# Altium PCB MiniPC.PcbDoc (part 21 of 23) (continued)
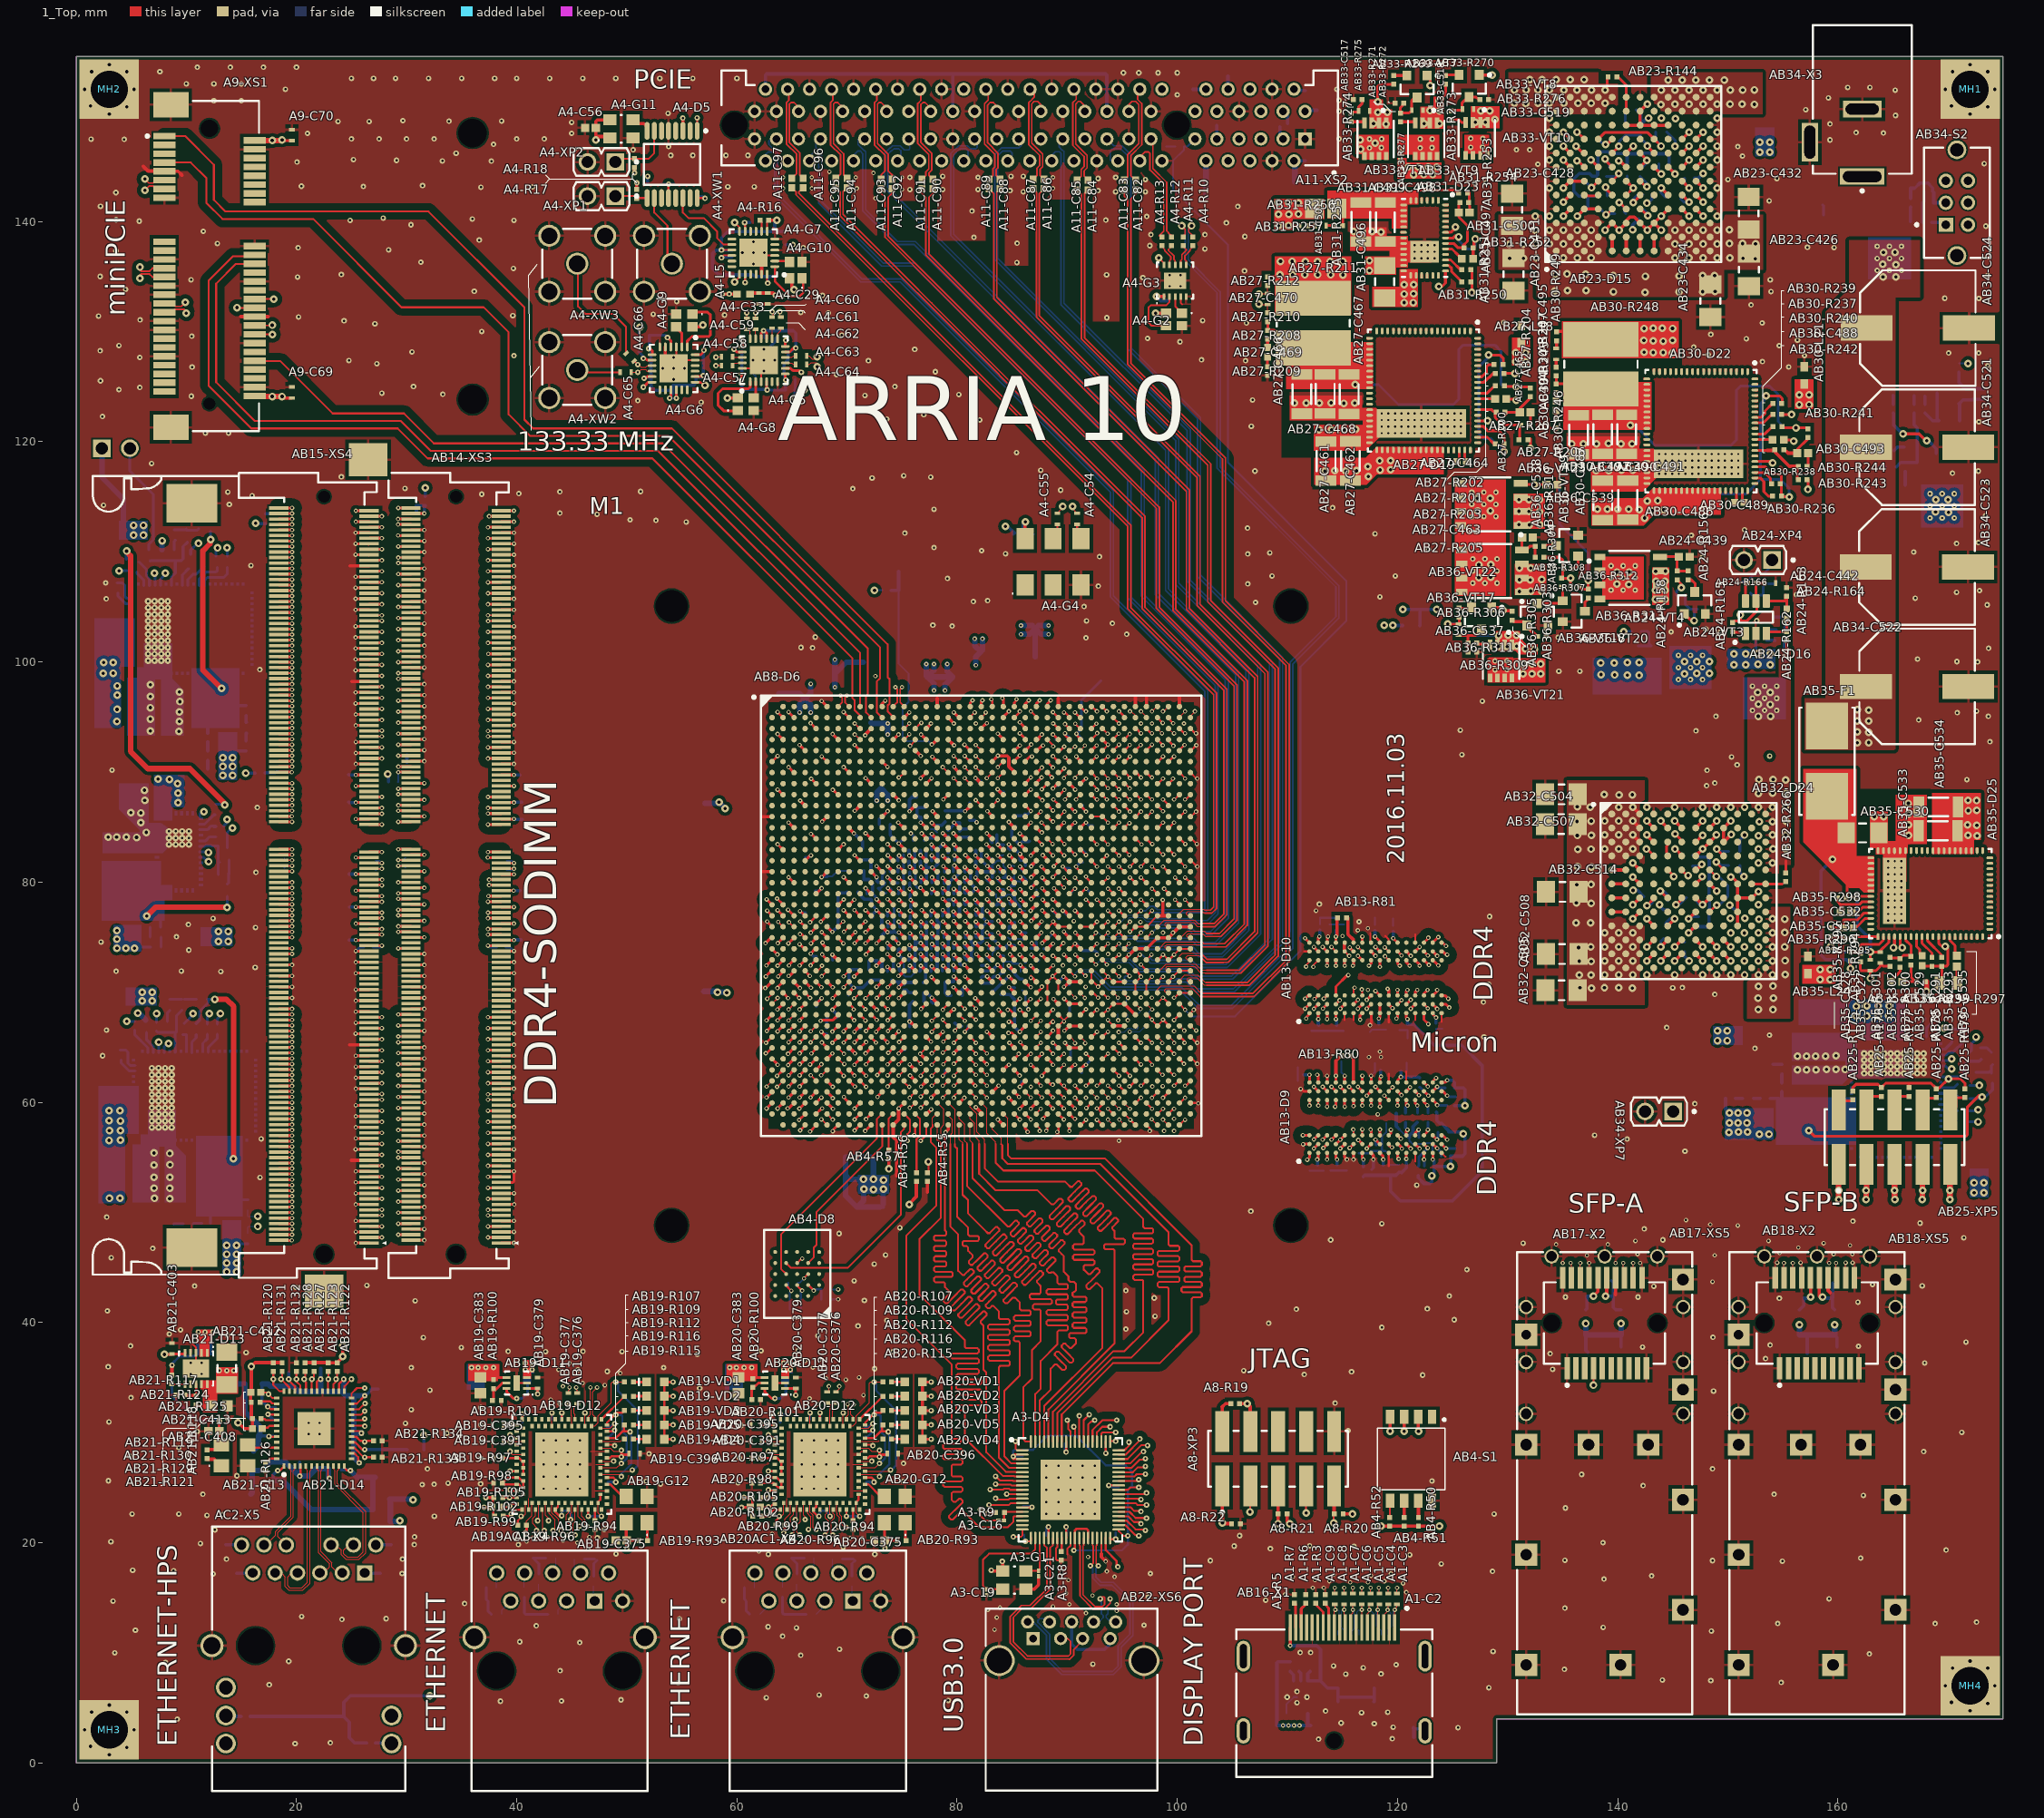
[diagram p0: 1_Top view]
## Nets (pads, with @x,y where several pads share a name; then routed paths per layer and width w, separated by ;. In a path a pad name is that pad's centre, name@x,y a point inside that pad or via, vN(x,y) a via of type N, cw(c..) or ccw(c..) an arc to the next point about the centre after c; other vN are vias at no path point) (continued)
REFCLK0_FMCB_P: A4-C62.2 AB8-D6.AL29 | length 87
  1_Top w0.1: v3(63.91,131.8) 63.91,131.39 A4-C62.2@64,131.3 ; AB8-D6.AL29@91.194,65.939 91.63,65.503 v1(91.63,65.37)
  10_int9_(sign) w0.09: v3(63.91,131.8) 63.7,131.59 63.7,130.425 64.085,130.04 67.86,130.04 68.8,129.1 68.839,129.1 86.57,111.369 86.57,100 86.545,99.975 86.545,99.92 86.14,99.515 86.14,96.372 86.34,96.172 86.34,90.665 85.25,89.575 85.25,85.925 87.035,84.14 90.559,84.14 91.35,83.349 91.35,82.114 93.29,80.174 93.29,78.065 91.79,76.565 91.79,72.624 92.315,72.099 92.315,67.615 91.27,66.57 91.27,65.83 91.63,65.47 v1(91.63,65.37)
REFCLK1_FMCB_C_N: A4-C63.1 A4-G5.10 | length 1
  1_Top w0.1: A4-G5.10@64.4,127.65 64.995,127.65 65.145,127.8 A4-C63.1@65.35,127.8
REFCLK1_FMCB_C_P: A4-C64.1 A4-G5.9 | length 1
  1_Top w0.1: A4-G5.9@64.4,127.15 64.995,127.15 65.145,127 A4-C64.1@65.35,127
REFCLK1_FMCB_N: A4-C63.2 AB8-D6.U28 | length 64.8
  1_Top w0.1: A4-C63.2@66.35,127.8 66.56,127.8 66.85,127.51 67.41,127.51 67.3,127.62 v2(67.3,127.7) ; v1(89.7,80.4) 89.8,80.4 90.194,80.006 AB8-D6.U28@90.194,79.939
  10_int9_(sign) w0.09: v2(67.3,127.7) 67.3,127.64 67,127.34 66.701,127.34 66.36,126.999 66.36,126.051 72.511,119.9 75.5,119.9 83.5,111.9 83.5,96.36 84.085,95.775 84.085,82.116 84.376,81.825 86.447,81.825 86.458,81.815 86.942,81.815 86.952,81.825 89.663,81.825 90.08,81.408 90.08,80.78 v1(89.7,80.4)
REFCLK1_FMCB_P: A4-C64.2 AB8-D6.U29 | length 64.6
  1_Top w0.1: A4-C64.2@66.35,127 66.56,127 66.74,127.18 67.21,127.18 v2@67.4,126.99 ; v2(67.3,126.8) 67.3,126.89 v2@67.4,126.99 ; v2@67.5,126.89 v2@67.4,126.99 ; v1(90.7,80.4) 90.7,80.433 AB8-D6.U29@91.194,79.939
  10_int9_(sign) w0.09: v2(67.3,126.8) 67,127.1 66.8,127.1 66.6,126.9 66.6,126.15 72.61,120.14 75.599,120.14 83.74,111.999 83.74,96.459 84.325,95.874 84.325,82.215 84.475,82.065 86.547,82.065 86.557,82.055 86.843,82.055 86.853,82.065 89.762,82.065 90.32,81.507 90.32,80.78 v1(90.7,80.4)
REFCLK_DP_C_N: A4-C59.1 A4-G5.18 | length 1
  1_Top w0.1: A4-C59.1@60.9,130.2 61,130.2 61.2,130 A4-G5.18@61.2,129.35
REFCLK_DP_C_P: A4-C60.1 A4-G5.17 | length 0.9
  1_Top w0.1: A4-G5.17@61.7,129.35 A4-C60.1@61.7,130.2
REFCLK_DP_N: A4-C59.2 AB8-D6.G28 | length 61.2
  1_Top w0.1: A4-C59.2@60.9,131.2 v3@60.9,131.6 ; v1(89.7,89.45) 89.7,89.5 90.139,89.939 AB8-D6.G28@90.194,89.939 ; v3@60.9,131.6 v3(60.9,131.7) 60.8,131.7 v3@60.9,131.6
  12_int11_(sign) w0.09: v3(60.9,131.7) 60.96,131.7 61.16,131.5 61.16,131.001 61.641,130.52 70.28,130.52 90.16,110.64 90.16,95.687 90.115,95.642 90.115,95.157 90.16,95.112 90.16,94.637 90.145,94.622 90.145,94.137 90.16,94.122 90.16,92.587 90.11,92.537 90.11,91.511 90.145,91.476 90.145,91.19 90.135,91.18 90.135,89.855 89.73,89.45 v1(89.7,89.45)
REFCLK_DP_P: A4-C60.2 AB8-D6.G29 | length 61.2
  1_Top w0.1: A4-C60.2@61.7,131.2 v3(61.7,131.7) ; v1(90.7,89.45) 90.7,89.5 91.139,89.939 AB8-D6.G29@91.194,89.939 ; v3(61.7,131.7) 61.7,131.78 61.62,131.7 v3(61.7,131.7)
  12_int11_(sign) w0.09: v3(61.7,131.7) 61.6,131.7 61.4,131.5 61.4,131.1 61.74,130.76 70.379,130.76 90.4,110.739 90.4,95.588 90.355,95.543 90.355,95.257 90.4,95.212 90.4,94.538 90.385,94.523 90.385,94.237 90.4,94.222 90.4,92.488 90.35,92.438 90.35,91.611 90.385,91.576 90.385,91.091 90.375,91.081 90.375,89.745 90.67,89.45 v1(90.7,89.45)
REFCLK_SDI_C_N: A4-C55.2 A4-G4.5 | length 1.2
  1_Top w0.17: A4-G4.5@88.61,111.1 A4-G4.5@88.71,111.2 ; A4-G4.5@89.01,111.5 89.1,111.59 A4-C55.2@89.1,112.5
REFCLK_SDI_C_P: A4-C54.2 A4-G4.4 | length 1.4
  1_Top w0.17: A4-C54.2@90.9,112.5 90.9,111.55 A4-G4.4@91.25,111.2
REFCLK_SDI_N: A4-C55.1 AB8-D6.E28 | length 24.1
  1_Top w0.1: A4-C55.1@89.1,113.5 89.6,114 v2(89.6,114.1) ; AB8-D6.E28@90.194,91.939 90.239,91.939 90.6,92.3 v1(90.7,92.3)
  10_int9_(sign) w0.09: v2(89.6,114.1) 90,113.7 90,101.31 91.1,100.21 91.1,95.273 91.21,95.163 91.21,93.055 91.03,92.874 91.03,92.63 v1(90.7,92.3)
REFCLK_SDI_P: A4-C54.1 AB8-D6.E29 | length 24
  1_Top w0.1: v2(90.5,114.1) 90.5,113.9 A4-C54.1@90.9,113.5 ; AB8-D6.E29@91.194,91.994 AB8-D6.E29@91.194,91.939 91.6,92.345 v1(91.6,92.4)
  10_int9_(sign) w0.09: v2(90.5,114.1) 90.24,113.84 90.24,101.409 91.34,100.309 91.34,95.372 91.45,95.262 91.45,92.955 91.27,92.775 91.27,92.73 v1(91.6,92.4)
REFCLK_SMA_N: A4-C65.1 A4-G6.10 AB8-D6.J28 | length 69.9
  1_Top w0.1: A4-C65.1@50.4,126.1 50.4,126.275 50.425,126.3 v3(51,126.3) 51.06,126.3 51.3,126.54 51.71,126.54 51.85,126.4 A4-G6.10@52.3,126.4 ; v1(89.8,87.5) 89.8,87.545 AB8-D6.J28@90.194,87.939
  12_int11_(sign) w0.09: v3(51,126.3) 51.3,126.6 52.1,126.6 52.86,125.84 52.86,123.001 54.161,121.7 68.6,121.7 84.815,105.485 84.815,95.873 85.045,95.643 85.045,95.357 84.815,95.127 84.815,90.131 86.101,88.845 89.855,88.845 90.125,88.575 90.125,87.745 89.88,87.5 v1(89.8,87.5)
REFCLK_SMA_P: A4-C66.1 A4-G6.9 AB8-D6.J29 | length 70.1
  1_Top w0.1: A4-C66.1@50.525,127.225 50.775,127.225 v3(51,127) 51.06,127 51.3,126.76 51.71,126.76 51.85,126.9 A4-G6.9@52.3,126.9 ; v1(90.8,87.5) 90.8,87.545 AB8-D6.J29@91.194,87.939
  12_int11_(sign) w0.09: v3(51,127) 51.16,126.84 52.199,126.84 53.1,125.939 53.1,123.1 54.26,121.94 68.699,121.94 85.055,105.584 85.055,95.972 85.285,95.742 85.285,95.257 85.055,95.028 85.055,90.23 86.2,89.085 89.99,89.085 90.387,88.688 90.38,88.68 90.38,87.84 90.72,87.5 v1(90.8,87.5)
RESERVED: A3-D4.19 AB8-D6.AR16 | length 58.5
  1_Top w0.17: v1(77.7,61.5) 77.755,61.5 AB8-D6.AR16@78.194,61.939 ; v3(85.1,20.525) 85.8,20.525 85.925,20.65 A3-D4.19@85.925,21.2
  5_int4_(sign) w0.1: v1(77.7,61.5) 78,61.2 78,55.4 79.35,54.05 79.35,44.14 79.35,44.04 79.45,43.94 80.418,43.94 80.518,43.84 80.518,43.64 80.418,43.54 79.35,43.54 79.311,43.54 79.211,43.44 79.211,43.24 79.311,43.14 79.35,43.14 80.418,43.14 80.518,43.04 80.518,42.84 80.418,42.74 79.35,42.74 79.311,42.74 79.211,42.64 79.211,42.44 79.311,42.34 79.35,42.34 80.418,42.34 80.518,42.24 80.518,42.04 80.418,41.94 79.35,41.94 79.311,41.94 79.211,41.84 79.211,41.64 79.311,41.54 79.35,41.54 80.418,41.54 80.518,41.44 80.518,41.24 80.418,41.14 79.35,41.14 79.311,41.14 79.211,41.04 79.211,40.84 79.311,40.74 79.35,40.74 80.418,40.74 80.518,40.64 80.518,40.44 80.418,40.34 79.45,40.34 79.35,40.24 79.35,39.58 79.35,25.014 83.839,20.525 v3(85.1,20.525)
SENSESYNC1: AB32-D24.E7 AB32-R268.1 | length 1.7
  1_Top w0.3: AB32-D24.E7@147.075,81.1 147.135,81.1 v2(147.64,81.605)
  16_Bottom w0.3: AB32-R268.1@146.79,81.445 147.48,81.445 v2(147.64,81.605)
SENSESYNC2: AB23-D15.E7 AB23-R147.1 | length 1.9
  1_Top w0.254: v2(138.857,145.682) 138.857,145.573 AB23-D15.E7@139.495,144.935
  16_Bottom w0.254: v2(138.857,145.682) 138.857,145.643 139.25,145.25 AB23-R147.1@139.25,144.925
SHARE_CLK1: AB32-D24.H7 AB32-R267.1 | length 1.9
  1_Top w0.3: v2(146.44,76.655) AB32-D24.H7@147.075,77.29
  16_Bottom w0.25: v2(146.44,76.655) 146.63,76.845 AB32-R267.1@147.365,76.845
SHARE_CLK2: AB23-D15.H7 AB23-R146.1 | length 1.9
  1_Top w0.3: AB23-D15.H7@143.305,144.935 v2(143.94,144.3)
  16_Bottom w0.25: AB23-R146.1@143.75,145.225 143.75,144.49 v2(143.94,144.3)
TRCT1: AC2-C542.2 AC2-X5.12 | length 1.7
  16_Bottom w0.3: AC2-C542.2@13.577,19.825 15.097,19.825 AC2-X5.12@15.197,19.725
TRCT2: AC2-C541.2 AC2-X5.6 | length 1.2
  16_Bottom w0.3: AC2-C541.2@14.577,17.225 AC2-X5.6@15.797,17.225
TRCT3: AC2-C540.2 AC2-X5.1 | length 1.2
  16_Bottom w0.3: AC2-X5.1@26.497,17.325 26.597,17.225 AC2-C540.2@27.607,17.225
TRCT4: AC2-C543.2 AC2-X5.7 | length 1.5
  16_Bottom w0.3: AC2-X5.7@27.197,19.925 27.297,19.825 AC2-C543.2@28.607,19.825
TRD1_N: AB21-D14.3 AC2-X5.10 | length 8.1
  1_Top w0.1: AC2-X5.10@19.08,19.794 18.32,20.553 18.32,20.907 19.722,22.309 19.722,26.535 19.862,26.675 AB21-D14.3@19.862,26.975
TRD1_P: AB21-D14.2 AC2-X5.11 | length 8.3
  1_Top w0.1: AC2-X5.11@17.048,19.794 17.194,19.794 18.1,20.7 18.1,20.998 19.502,22.4 19.502,26.535 19.362,26.675 AB21-D14.2@19.362,26.975
TRD2_N: AB21-D14.6 AC2-X5.5 | length 15.3
  1_Top w0.1: AC2-X5.5@18.064,17.254 18.626,17.254 18.98,16.9 18.98,16.009 19.309,15.68 20.591,15.68 21.22,16.309 21.22,22.807 21.222,22.809 21.222,26.535 21.362,26.675 AB21-D14.6@21.362,26.975
TRD2_P: AB21-D14.5 AC2-X5.4 | length 14.6
  1_Top w0.1: AC2-X5.4@20.096,17.254 19.554,17.254 19.2,16.9 19.2,16.1 19.4,15.9 20.5,15.9 21,16.4 21,22.898 21.002,22.9 21.002,26.535 20.862,26.675 AB21-D14.5@20.862,26.975
TRD3_N: AB21-D14.8 AC2-X5.2 | length 10.8
  1_Top w0.1: AB21-D14.8@22.362,26.975 22.362,26.675 22.222,26.535 22.222,19.178 23.22,18.18 23.22,17.8 23.766,17.254 AC2-X5.2@24.16,17.254
TRD3_P: AB21-D14.7 AC2-X5.3 | length 10.7
  1_Top w0.1: AB21-D14.7@21.862,26.975 21.862,26.675 22.002,26.535 22.002,19.087 23,18.089 23,17.8 22.454,17.254 AC2-X5.3@22.128,17.254
TRD4_N: AB21-D14.11 AC2-X5.9 | length 13.2
  1_Top w0.1: AC2-X5.9@23.144,19.794 23.586,19.794 24.08,19.3 24.08,18.909 24.509,18.48 25.691,18.48 26.295,19.084 26.295,22.805 23.722,25.378 23.722,26.535 23.862,26.675 AB21-D14.11@23.862,26.975
TRD4_P: AB21-D14.10 AC2-X5.8 | length 12.4
  1_Top w0.1: AB21-D14.10@23.362,26.975 23.362,26.675 23.502,26.535 23.502,25.287 26.075,22.714 26.075,19.175 25.6,18.7 24.6,18.7 24.3,19 24.3,19.3 24.794,19.794 AC2-X5.8@25.176,19.794
USB3_BE0: A3-D4.4 AB8-D6.AU17 | length 63.8
  1_Top w0.1: AB8-D6.AU17@79.194,59.939 79.8,59.333 79.8,56.2
  1_Top w0.17: 79.8,56.2 79.8,56 80,55.8 80,49.6 81,48.6 81,48.1 81,47.983 81.118,47.865 81.857,47.865 81.975,47.748 81.975,47.513 81.857,47.395 81,47.395 80.613,47.395 80.495,47.278 80.495,47.043 80.613,46.925 80.883,46.925 81,46.808 81,46.5 81.166,46.334 81.415,46.085 81.415,45.918 81.063,45.566 81.063,45.4 81.229,45.234 81.395,45.234 81.831,45.669 82.437,46.275 82.603,46.275 82.769,46.109 82.769,45.943 82.163,45.337 81.858,45.031 81.858,44.865 82.024,44.699 82.19,44.699 82.496,45.004 83.102,45.611 83.268,45.611 83.434,45.444 83.434,45.278 82.828,44.672 82.523,44.367 82.523,44.201 82.689,44.034 82.855,44.034 83.16,44.34 83.766,44.946 83.933,44.946 84.099,44.78 84.099,44.614 83.493,44.007 83.187,43.702 83.187,43.536 83.353,43.37 83.52,43.37 83.825,43.675 84.431,44.281 84.597,44.281 84.763,44.115 84.763,43.949 84.157,43.343 83.852,43.037 83.852,42.871 84.018,42.705 84.184,42.705 84.49,43.01 85.096,43.617 85.262,43.617 85.428,43.45 85.428,43.284 84.822,42.678 84.216,42.072 84.216,41.906 84.382,41.74 84.548,41.74 85.071,42.263 85.237,42.263 85.487,42.013 85.7,41.8 85.7,41.565 85.7,41.213 85.817,41.095 86.557,41.095 86.675,40.978 86.675,40.743 86.557,40.625 85.7,40.625 85.283,40.625 85.166,40.508 85.166,40.273 85.283,40.155 85.7,40.155 86.557,40.155 86.675,40.038 86.675,39.803 86.557,39.685 85.7,39.685 85.283,39.685 85.166,39.568 85.166,39.333 85.283,39.215 85.7,39.215 86.557,39.215 86.675,39.098 86.675,38.863 86.557,38.745 85.7,38.745 85.283,38.745 85.166,38.628 85.166,38.393 85.283,38.275 85.582,38.275 85.7,38.158 85.7,37.8 85.7,35.2 84.3,33.8 84.3,27.831 84.931,27.2 A3-D4.4@85.925,27.2
USB3_BE1: A3-D4.5 AB8-D6.AV17 | length 62.9
  1_Top w0.1: AB8-D6.AV17@79.194,58.939 79.194,58.806 79.584,58.416 79.584,57.219 79.4,57.035 79.4,56.2
  1_Top w0.17: 79.4,56.2 79.4,48.7 80.1,48 80.1,44.7 80.4,44.4 80.483,44.317 80.649,44.317 81.178,44.846 81.344,44.846 81.51,44.68 81.51,44.513 80.899,43.901 80.612,43.615 80.612,43.449 80.778,43.283 80.944,43.283 81.231,43.569 81.843,44.181 82.009,44.181 82.175,44.015 82.175,43.849 81.563,43.237 81.277,42.95 81.277,42.784 81.443,42.618 81.609,42.618 81.896,42.904 82.507,43.516 82.674,43.516 82.84,43.35 82.84,43.184 82.228,42.572 81.941,42.286 81.941,42.119 82.107,41.953 82.274,41.953 82.56,42.24 83.172,42.852 83.338,42.852 83.504,42.686 83.504,42.519 82.893,41.907 82.606,41.621 82.606,41.455 82.772,41.289 82.938,41.289 83.142,41.492 83.308,41.492 83.557,41.243 83.8,41 83.8,40.765 83.8,40.413 83.918,40.295 84.665,40.295 84.783,40.178 84.783,39.943 84.665,39.825 83.8,39.825 82.935,39.825 82.817,39.708 82.817,39.473 82.935,39.355 83.8,39.355 84.665,39.355 84.783,39.238 84.783,39.003 84.665,38.885 83.8,38.885 82.935,38.885 82.817,38.768 82.817,38.533 82.935,38.415 83.8,38.415 84.665,38.415 84.783,38.298 84.783,38.063 84.665,37.945 83.8,37.945 82.935,37.945 82.817,37.828 82.817,37.593 82.935,37.475 83.8,37.475 84.665,37.475 84.783,37.358 84.783,37.123 84.665,37.005 83.8,37.005 82.935,37.005 82.817,36.888 82.817,36.653 82.935,36.535 83.8,36.535 84.665,36.535 84.783,36.418 84.783,36.183 84.665,36.065 83.918,36.065 83.8,35.948 83.8,35.6 83.8,27.7 84.695,26.805 85.92,26.805 A3-D4.5@85.925,26.8
USB3_BE2: A3-D4.6 AB8-D6.AU16 | length 63.5
  1_Top w0.1: AB8-D6.AU16@78.194,59.939 78.775,59.358 78.775,57.945 78.525,57.695 78.525,57.143 78.9,56.768
  1_Top w0.17: 78.9,56.768 78.9,48.6 78.9,48.378 78.913,48.365 79.03,48.248 79.03,48.013 78.913,47.895 78.9,47.895 78.017,47.895 77.9,47.778 77.9,47.543 78.017,47.425 78.9,47.425 78.913,47.425 79.03,47.308 79.03,47.073 78.913,46.955 78.9,46.955 78.017,46.955 77.9,46.838 77.9,46.603 78.017,46.485 78.9,46.485 78.913,46.485 79.03,46.368 79.03,46.133 78.913,46.015 78.9,46.015 78.017,46.015 77.9,45.898 77.9,45.663 78.017,45.545 78.9,45.545 78.913,45.545 79.03,45.428 79.03,45.193 78.913,45.075 78.9,45.075 78.017,45.075 77.9,44.958 77.9,44.723 78.017,44.605 78.9,44.605 79.472,44.605 79.589,44.488 79.589,44.253 79.472,44.135 78.9,44.135 78.017,44.135 77.9,44.018 77.9,43.783 78.017,43.665 78.782,43.665 78.9,43.548 78.9,43.2 79.066,43.034 79.315,42.785 79.315,42.618 78.774,42.077 78.774,41.911 78.941,41.745 79.107,41.745 79.731,42.369 80.355,42.993 80.521,42.993 80.687,42.827 80.687,42.661 80.063,42.037 79.439,41.413 79.439,41.247 79.605,41.08 79.772,41.08 80.396,41.704 81.02,42.328 81.186,42.328 81.352,42.162 81.352,41.996 80.728,41.372 80.104,40.748 80.104,40.582 80.27,40.416 80.436,40.416 81.06,41.04 81.684,41.664 81.85,41.664 82.017,41.498 82.017,41.331 81.393,40.707 80.769,40.083 80.769,39.917 80.935,39.751 81.101,39.751 81.725,40.375 82.349,40.999 82.515,40.999 82.681,40.833 82.681,40.667 82.14,40.126 82.14,39.96 82.39,39.71 82.4,39.7 82.4,39.465 82.4,39.2 82.4,35.7 82.65,35.45 82.65,28.203 84.418,26.435 85.305,26.435 85.34,26.4 A3-D4.6@85.925,26.4
USB3_BE3: A3-D4.7 AB8-D6.AW16 | length 62.8
  1_Top w0.1: AB8-D6.AW16@78.194,57.939 78.196,57.938 78.196,56.596
  1_Top w0.17: 78.196,56.596 78.53,56.261 78.53,49.53 76.6,47.6 76.6,42.5 80.7,38.4 80.7,37.9 80.7,37.783 80.818,37.665 81.848,37.665 81.966,37.548 81.966,37.313 81.848,37.195 80.7,37.195 79.562,37.195 79.445,37.078 79.445,36.843 79.562,36.725 80.7,36.725 81.848,36.725 81.966,36.608 81.966,36.373 81.848,36.255 80.7,36.255 80.052,36.255 79.934,36.138 79.934,35.903 80.052,35.785 80.7,35.785 81.85,35.785 81.967,35.668 81.967,35.433 81.85,35.315 80.7,35.315 80.052,35.315 79.934,35.198 79.934,34.963 80.052,34.845 80.7,34.845 82.098,34.845 82.216,34.728 82.216,34.493 82.098,34.375 80.7,34.375 80.052,34.375 79.934,34.258 79.934,34.023 80.052,33.905 80.7,33.905 82.098,33.905 82.216,33.788 82.216,33.553 82.098,33.435 80.7,33.435 80.052,33.435 79.934,33.318 79.934,33.083 80.052,32.965 80.7,32.965 82.098,32.965 82.216,32.848 82.216,32.613 82.098,32.495 80.7,32.495 80.052,32.495 79.934,32.378 79.934,32.143 80.052,32.025 80.583,32.025 80.7,31.908 80.7,31.6 80.7,29.511 84.146,26.065 85.151,26.065 85.186,26.03 85.895,26.03 A3-D4.7@85.925,26
USB3_CLK: A3-D4.58 AB8-D6.AL17 | length 66.8
  1_Top w0.17: v1(78.75,65.5) 78.755,65.5 AB8-D6.AL17@79.194,65.939 ; A3-D4.58@93.9,29.175 93.95,29.225 v3(94.4,29.225)
  7_int6_(sign) w0.1: v1(78.75,65.5) 78.8,65.5 79.3,65 79.3,57.878 79.525,57.653 79.525,57.072 79.3,56.847 79.3,56.1 80.7,54.7 80.7,51.1 85.1,46.7 91.9,46.7 92.6,46 99.1,46 99.6,46.5 101.4,46.5 102.1,45.8 102.6,45.8 103.2,45.2 103.2,44.1 104,43.3 104,42.8 104,42.7 104.1,42.6 104.2,42.5 104.2,42.3 104.1,42.2 104,42.2 102.014,42.2 101.914,42.1 101.914,41.9 102.014,41.8 104,41.8 104.1,41.8 104.2,41.7 104.2,41.5 104.1,41.4 104,41.3 104,40.7 95.8,32.5 95.8,30.5 94.525,29.225 v3(94.4,29.225)
USB3_DATA0: A3-D4.40 AB8-D6.AH19 | length 63.8
  1_Top w0.17: AB8-D6.AH19@81.194,68.939 81.261,68.939 v1(81.7,68.5) ; A3-D4.40@94.675,21.6 95.284,21.6 96.179,20.704 96.421,20.704 v3(96.5,20.625)
  10_int9_(sign) w0.1: v1(81.7,68.5) 81.7,68.4 82.3,67.8 82.3,57.483 83,56.783 83,50.2 101.8,31.4 101.8,21.7 100.725,20.625 v3(96.5,20.625)
USB3_DATA1: A3-D4.41 AB8-D6.AJ19 | length 63.6
  1_Top w0.17: AB8-D6.AJ19@81.194,67.939 81.633,67.5 v1(81.7,67.5) ; A3-D4.41@94.675,22 95.407,22 96.207,21.2 97.025,21.2 v3(97.1,21.125)
  10_int9_(sign) w0.1: v1(81.7,67.5) 81.7,67.4 82.1,67 82.1,57.4 82.6,56.9 82.6,55.3 82.6,55.1 82.7,55 82.7,54.8 82.6,54.7 82.2,54.7 82.1,54.6 82.1,54.4 82.2,54.3 82.6,54.3 82.7,54.2 82.7,54 82.6,53.9 82.2,53.9 82.1,53.8 82.1,53.6 82.2,53.5 82.5,53.5 82.6,53.4 82.6,53.3 82.6,49.8 101.5,30.9 101.5,22.324 100.276,21.1 97.125,21.1 v3(97.1,21.125)
USB3_DATA2: A3-D4.42 AB8-D6.AH18 | length 65.6
  1_Top w0.17: AB8-D6.AH18@80.194,68.939 80.633,68.5 v1(80.7,68.5) ; A3-D4.42@94.675,22.4 95.53,22.4 96.055,21.875 96.55,21.875 v3(96.7,21.725)
  10_int9_(sign) w0.1: v1(80.7,68.5) 81.3,67.9 81.3,57.3 81.8,56.8 81.8,49.9 101.1,30.6 101.1,25.1 101.1,24.9 101.2,24.8 101.2,24.6 101.1,24.5 100.8,24.5 100.7,24.4 100.7,24.2 100.8,24.1 101.1,24.1 101.2,24 101.2,23.8 101.1,23.7 100.8,23.7 100.7,23.6 100.7,23.4 100.8,23.3 101,23.3 101.1,23.2 101.1,22.9 101.1,22.7 100.903,22.503 100.761,22.503 100.715,22.549 100.573,22.549 100.432,22.408 100.432,22.266 100.479,22.22 100.479,22.079 100.266,21.866 100.125,21.725 99.9,21.725 99.8,21.825 99.7,21.925 99.5,21.925 99.4,21.825 99.4,21.725 99.4,21.5 99.3,21.4 99.1,21.4 99,21.5 99,21.725 99,21.825 98.9,21.925 98.7,21.925 98.6,21.825 98.6,21.725 98.6,21.5 98.5,21.4 98.3,21.4 98.2,21.5 98.2,21.725 98.2,21.825 98.1,21.925 97.9,21.925 97.8,21.825 97.7,21.725 97.6,21.725 v3(96.7,21.725)
USB3_DATA3: A3-D4.43 AB8-D6.AJ18 | length 65.8
  1_Top w0.17: AB8-D6.AJ18@80.194,67.939 80.7,67.433 v1(80.7,67.4) ; A3-D4.43@94.675,22.8 95.653,22.8 96.208,22.245 97.18,22.245 v3(97.2,22.225)
  10_int9_(sign) w0.1: v1(80.7,67.4) 81.1,67 81.1,57.2 81.4,56.9 81.4,49.7 100.4,30.7 100.4,30.4 100.4,30.3 100.5,30.2 100.7,30.2 100.8,30.1 100.8,29.9 100.7,29.8 100.5,29.8 100.4,29.7 100.4,29.5 100.5,29.4 100.7,29.4 100.8,29.3 100.8,29.1 100.7,29 100.5,29 100.4,28.9 100.4,28.7 100.5,28.6 100.7,28.6 100.8,28.5 100.8,28.3 100.7,28.2 100.5,28.2 100.4,28.1 100.4,27.9 100.5,27.8 100.7,27.8 100.8,27.7 100.8,27.5 100.7,27.4 100.5,27.4 100.4,27.3 100.4,27.1 100.5,27 100.7,27 100.8,26.9 100.8,26.7 100.7,26.6 100.5,26.6 100.4,26.5 100.4,26.3 100.5,26.2 100.7,26.2 100.8,26.1 100.8,25.9 100.7,25.8 100.5,25.8 100.4,25.7 100.4,25.5 100.4,24.1 100.4,24.025 100.4,23.762 100.312,23.675 99.799,23.675 99.712,23.587 99.712,23.412 99.799,23.325 100.312,23.325 100.4,23.237 100.4,22.975 100.4,22.8 99.825,22.225 99.725,22.225 99.376,22.225 ; v3(97.2,22.225) 97.8,22.225 97.887,22.225 97.975,22.313 97.975,22.588 98.062,22.675 98.237,22.675 98.325,22.588 98.325,22.313 98.412,22.225 98.587,22.225 98.675,22.313 98.675,22.601 98.762,22.688 98.937,22.688 99.025,22.601 99.025,22.225 ; 99.025,22.224 99.112,22.137 99.287,22.137 99.375,22.224
USB3_DATA4: A3-D4.44 AB8-D6.AK18 | length 65.6
  1_Top w0.17: v1(79.8,66.5) 79.8,66.545 AB8-D6.AK18@80.194,66.939 ; A3-D4.44@94.675,23.2 95.777,23.2 96.104,22.872 96.653,22.872 v3(96.7,22.825)
  10_int9_(sign) w0.1: v1(79.8,66.5) 80.3,66 80.3,57.139 81,56.439 81,49.6 81.5,49.1 81.641,48.959 81.717,48.959 81.924,48.752 81.924,48.676 81.607,48.359 81.607,48.217 81.749,48.076 81.89,48.076 82.207,48.393 82.283,48.393 82.49,48.186 82.49,48.11 82.173,47.793 82.173,47.651 82.314,47.51 82.456,47.51 82.773,47.827 82.849,47.827 83.056,47.62 83.056,47.544 82.738,47.227 82.738,47.086 82.88,46.944 83.021,46.944 83.338,47.262 83.414,47.262 83.621,47.054 83.621,46.979 83.304,46.661 83.304,46.52 83.446,46.379 83.587,46.379 83.904,46.696 83.98,46.696 84.187,46.489 84.187,46.413 83.87,46.096 83.87,45.954 84.011,45.813 84.153,45.813 84.47,46.13 84.546,46.13 84.753,45.923 84.753,45.847 84.436,45.53 84.436,45.389 84.577,45.247 84.718,45.247 85.036,45.564 85.111,45.564 85.318,45.357 85.318,45.282 85.001,44.964 85.001,44.823 85.143,44.682 85.284,44.682 85.601,44.999 85.677,44.999 85.884,44.792 85.884,44.716 85.567,44.399 85.567,44.257 85.708,44.116 85.85,44.116 86.167,44.433 86.243,44.433 86.45,44.226 86.45,44.15 86.8,43.8 100.1,30.5 100.1,24.4 98.675,22.975 96.85,22.975 v3(96.7,22.825)
USB3_DATA5: A3-D4.45 AB8-D6.AL18 | length 66.4
  1_Top w0.17: v1(79.7,65.4) 80.194,65.894 AB8-D6.AL18@80.194,65.939 ; A3-D4.45@94.675,23.6 96.2,23.6 96.375,23.425 v3(97.2,23.425)
  10_int9_(sign) w0.1: v1(79.7,65.4) 80.1,65 80.1,56.4 80.1,56.3 80.2,56.2 80.6,56.2 80.7,56.1 80.7,55.9 80.6,55.8 80.1,55.8 79.9,55.8 79.8,55.7 79.8,55.5 79.9,55.4 80.1,55.4 80.6,55.4 80.7,55.3 80.7,55.1 80.6,55 80.1,55 79.9,55 79.8,54.9 79.8,54.7 79.9,54.6 80.1,54.6 80.6,54.6 80.7,54.5 80.7,54.3 80.6,54.2 80.1,54.2 79.9,54.2 79.8,54.1 79.8,53.9 79.9,53.8 80.1,53.8 80.6,53.8 80.7,53.7 80.7,53.5 80.6,53.4 80.1,53.4 79.9,53.4 79.8,53.3 79.8,53.1 79.9,53 80.1,53 80.6,53 80.7,52.9 80.7,52.7 80.6,52.6 80.1,52.6 79.9,52.6 79.8,52.5 79.8,52.3 79.9,52.2 80.1,52.2 80.6,52.2 80.7,52.1 80.7,51.9 80.6,51.8 80.1,51.8 79.9,51.8 79.8,51.7 79.8,51.5 79.9,51.4 80.1,51.4 80.6,51.4 80.7,51.3 80.7,51.1 80.6,51 80.1,51 79.9,51 79.8,50.9 79.8,50.7 79.9,50.6 80,50.6 80.1,50.5 80.1,50.4 80.1,49.3 92,37.4 92.6,37.4 99.7,30.3 99.7,24.9 98.225,23.425 v3(97.2,23.425)
USB3_DATA6: A3-D4.46 AB8-D6.AH17 | length 58.3
  1_Top w0.17: v1(78.7,68.4) 78.7,68.445 AB8-D6.AH17@79.194,68.939 ; A3-D4.46@94.675,24 96.625,24 v3(96.7,23.925)
  10_int9_(sign) w0.1: v1(78.7,68.4) 79.3,67.8 79.3,57.878 79.525,57.653 79.525,57.072 79.3,56.847 79.3,56.8 79.5,56.6 79.5,49.2 91.9,36.8 92.6,36.8 99.4,30 99.4,25.3 98.025,23.925 v3(96.7,23.925)
USB3_DATA7: A3-D4.47 AB8-D6.AK17 | length 63
  1_Top w0.17: v1(78.7,67.5) 78.7,67.433 AB8-D6.AK17@79.194,66.939 ; A3-D4.47@94.675,24.4 94.685,24.41 97.085,24.41 v3(97.2,24.525)
  10_int9_(sign) w0.1: v1(78.7,67.5) 78.7,67.4 79.1,67 79.1,57.795 79.325,57.57 79.325,57.155 79.1,56.93 79.1,43.6 87.6,35.1 88.2,35.1 88.3,35.1 88.4,35.2 88.4,36 88.5,36.1 88.7,36.1 88.8,36 88.8,35.2 88.9,35.1 89.1,35.1 89.2,35.2 89.2,36 89.3,36.1 89.5,36.1 89.6,36 89.6,35.2 89.7,35.1 89.9,35.1 93.7,35.1 99.1,29.7 99.1,26.1 97.525,24.525 v3(97.2,24.525)
USB3_DATA8: A3-D4.50 AB8-D6.AJ16 | length 58.6
  1_Top w0.17: v1(77.7,67.4) 78.194,67.894 AB8-D6.AJ16@78.194,67.939 ; A3-D4.50@94.675,25.6 96.375,25.6 v3(96.5,25.725)
  10_int9_(sign) w0.1: v1(77.7,67.4) 78.155,66.945 78.155,66.245 78.35,66.05 78.35,56.75 78.5,56.6 78.5,43.3 87.5,34.3 93.9,34.3 98.8,29.4 98.8,26.6 97.925,25.725 v3(96.5,25.725)
USB3_DATA9: A3-D4.51 AB8-D6.AK16 | length 63.1
  1_Top w0.17: v1(77.7,66.4) 77.7,66.445 AB8-D6.AK16@78.194,66.939 ; A3-D4.51@94.675,26 96.089,26 96.314,26.225 v3(97.1,26.225)
  10_int9_(sign) w0.1: v1(77.7,66.4) 78.15,65.95 78.15,41.85 87.1,32.9 87.8,32.9 87.9,32.9 88,33 88,33.566 88.1,33.666 88.3,33.666 88.4,33.566 88.4,32.9 88.4,32.234 88.5,32.134 88.7,32.134 88.8,32.234 88.8,32.9 88.8,33.566 88.9,33.666 89.1,33.666 89.2,33.566 89.2,32.9 89.2,32.234 89.3,32.134 89.5,32.134 89.6,32.234 89.6,32.9 94.8,32.9 98.4,29.3 98.4,26.7 97.925,26.225 v3(97.1,26.225)
USB3_DATA10: A3-D4.52 AB8-D6.AP20 | length 64.1
  1_Top w0.17: AB8-D6.AP20@82.194,62.939 82.633,62.5 v1(82.7,62.5) ; A3-D4.52@94.675,26.4 95.966,26.4 96.391,26.825 96.993,26.825 97.096,26.929 v3@97.1,26.932
  7_int6_(sign) w0.1: v1(82.7,62.5) 82.3,62.1 82.3,57.2 83.7,55.8 83.7,53.5 87.1,50.1 104.9,50.1 106.7,48.3 106.7,39.3 98.8,31.4 98.8,27.8 97.925,26.925 v3(97.1,26.925)
USB3_DATA11: A3-D4.53 AB8-D6.AM20 | length 67.3
  1_Top w0.17: AB8-D6.AM20@82.194,64.939 v1(82.7,64.433) ; A3-D4.53@94.675,26.8 95.843,26.8 96.567,27.525 97,27.525 v3(97.1,27.625)
  7_int6_(sign) w0.1: v1(82.7,64.433) 82.7,64.2 82.1,63.6 82.1,57.554 82,57.454 82,56 83.4,54.6 83.4,53.3 87,49.7 93.1,49.7 93.3,49.7 93.4,49.8 93.6,49.8 93.7,49.7 93.7,48.817 93.8,48.717 94,48.717 94.1,48.817 94.1,49.7 94.2,49.8 94.4,49.8 94.5,49.7 95.4,49.7 104.5,49.7 106.3,47.9 106.3,39.5 98.4,31.6 98.4,28 98.025,27.625 v3(97.1,27.625)
USB3_DATA12: A3-D4.54 AB8-D6.AM19 | length 67.4
  1_Top w0.17: AB8-D6.AM19@81.194,64.939 81.7,64.433 v1(81.7,64.4) ; A3-D4.54@94.675,27.2 95.719,27.2 96.794,28.275 v3(96.931,28.275)
  7_int6_(sign) w0.1: v1(81.7,64.4) 81.3,64 81.3,57.339 81.4,57.239 81.4,56.1 82.9,54.6 82.9,53.089 86.789,49.2 92.8,49.2 93.583,48.417 94.217,48.417 94.793,48.993 95.6,48.993 95.7,48.993 95.8,49.093 95.9,49.193 96.1,49.193 96.2,49.093 96.2,48.993 96.2,47.739 96.3,47.639 96.5,47.639 96.6,47.739 96.6,48.893 96.7,48.993 96.8,48.993 104.407,48.993 105.8,47.6 105.8,39.7 98,31.9 98,28.6 97.675,28.275 v3(96.931,28.275)
USB3_DATA13: A3-D4.55 AB8-D6.AL19 | length 67.1
  1_Top w0.17: AB8-D6.AL19@81.194,65.939 81.7,65.433 v1(81.7,65.4) ; A3-D4.55@94.675,27.6 95.475,27.6 96.737,28.863 97.263,28.863 v3(97.3,28.825)
  7_int6_(sign) w0.1: v1(81.7,65.4) 81.7,65.2 81.1,64.6 81.1,55.9 82.2,54.8 82.2,52.7 86.5,48.4 86.9,48.4 86.987,48.4 87.075,48.488 87.075,48.732 87.162,48.82 87.337,48.82 87.425,48.732 87.425,48.4 87.425,48.268 87.512,48.18 87.687,48.18 87.775,48.268 87.775,48.312 87.862,48.4 88.5,48.4 92.7,48.4 93.2,47.9 94.9,47.9 95.2,48.2 95.8,48.2 95.9,48.1 95.9,47.5 96.1,47.3 96.8,47.3 98,48.5 98.8,48.5 98.907,48.5 99,48.593 99.1,48.693 99.3,48.693 99.4,48.593 99.493,48.5 99.6,48.5 104,48.5 105.3,47.2 105.3,39.9 97.4,32 97.4,28.925 v3(97.3,28.825)
USB3_DATA14: A3-D4.56 AB8-D6.AN18 | length 64.7
  1_Top w0.17: v1(79.7,63.5) 79.755,63.5 AB8-D6.AN18@80.194,63.939 ; A3-D4.56@94.675,28 95.323,28 96.6,29.277 v3(96.6,29.425)
  7_int6_(sign) w0.1: v1(79.7,63.5) 79.7,63.288 80.3,62.688 80.3,57.2 80.3,56.2 81.7,54.8 81.7,52.2 86.1,47.8 92.6,47.8 92.9,47.5 95.2,47.5 95.7,47 97.1,47 98.2,48.1 103.9,48.1 104.9,47.1 104.9,45.6 104.9,45.4 105,45.3 105,45.1 104.9,45 104.049,45 103.949,44.9 103.949,44.7 104.049,44.6 104.9,44.6 105,44.5 105,44.3 104.9,44.2 104.9,44 104.9,40 96.7,31.8 96.7,29.525 v3(96.6,29.425)
USB3_DATA15: A3-D4.57 AB8-D6.AP18 | length 64.6
  1_Top w0.17: v1(79.7,62.4) 80.194,62.894 AB8-D6.AP18@80.194,62.939 ; A3-D4.57@94.675,28.4 95.2,28.4 95.6,28.8 v3(95.6,29.125)
  7_int6_(sign) w0.1: v1(79.7,62.4) 79.8,62.4 80.1,62.1 80.1,57.283 80,57.183 80,56.076 81.3,54.776 81.3,51.7 85.7,47.3 92.3,47.3 92.6,47 95.1,47 95.5,46.6 97.6,46.6 98.6,47.6 101.2,47.6 101.4,47.6 101.6,47.6 101.8,47.6 102.1,47.6 102.2,47.5 102.2,46.319 102.3,46.219 102.5,46.219 102.6,46.319 102.6,47.5 102.7,47.6 103.6,47.6 104.5,46.7 104.5,45.6 104.2,45.3 103.925,45.3 103.6,44.975 103.6,44.625 103.925,44.3 104.1,44.3 104.5,43.9 104.5,40.3 96.2,32 96.2,30.1 95.6,29.5 v3(95.6,29.125)
USB3_DATA16: A3-D4.60 AB8-D6.AM17 | length 63.2
  1_Top w0.17: v1(78.7,64.5) 78.755,64.5 AB8-D6.AM17@79.194,64.939 ; A3-D4.60@93.115,28.81 93.1,28.825 A3-D4.60@93.1,29.175 93.1,29.912 93.213,30.025 v3(94.4,30.025)
  7_int6_(sign) w0.1: v1(78.7,64.5) 78.8,64.5 79.1,64.2 79.1,57.795 79.325,57.57 79.325,57.155 79.095,56.925 79.071,56.925 78.9,56.754 78.9,55.983 80.383,54.5 80.383,50.4 84.583,46.2 91.5,46.2 92.4,45.3 102.1,45.3 102.7,44.7 102.7,43.2 102.2,42.7 101.7,42.7 101.4,42.4 101.4,41.6 101.7,41.3 102.4,41.3 102.7,41 102.7,40.2 95.4,32.9 95.4,30.6 94.825,30.025 v3(94.4,30.025)
USB3_DATA17: A3-D4.61 AB8-D6.AM16 | length 66.2
  1_Top w0.17: v1(77.7,64.445) AB8-D6.AM16@78.194,64.939 ; A3-D4.61@92.7,29.175 92.7,30.038 93.187,30.525 v3(93.9,30.525)
  7_int6_(sign) w0.1: v1(77.7,64.445) 78.3,63.845 78.3,60.039 78.3,57.085 78.4,56.985 78.4,56 80,54.4 80,49.9 84.1,45.8 91.2,45.8 92.1,44.9 101.8,44.9 102.2,44.5 102.2,43.3 102,43.1 101.4,43.1 101,42.7 101,39.3 100.1,38.4 100.029,38.329 100.029,38.188 100.067,38.151 100.067,38.009 99.925,37.868 99.784,37.868 99.676,37.976 99.049,38.603 98.907,38.603 98.766,38.461 98.766,38.32 99.393,37.693 99.501,37.585 99.501,37.444 99.359,37.302 99.218,37.302 99.11,37.41 98.483,38.037 98.341,38.037 98.2,37.896 98.2,37.754 98.827,37.127 98.935,37.019 98.935,36.878 98.794,36.736 98.652,36.736 98.589,36.8 98.5,36.8 94.7,33 94.7,32.6 95,32.3 95,30.8 94.725,30.525 v3(93.9,30.525)